# Altium PCB 28-motor-driver.PcbDoc (continued)
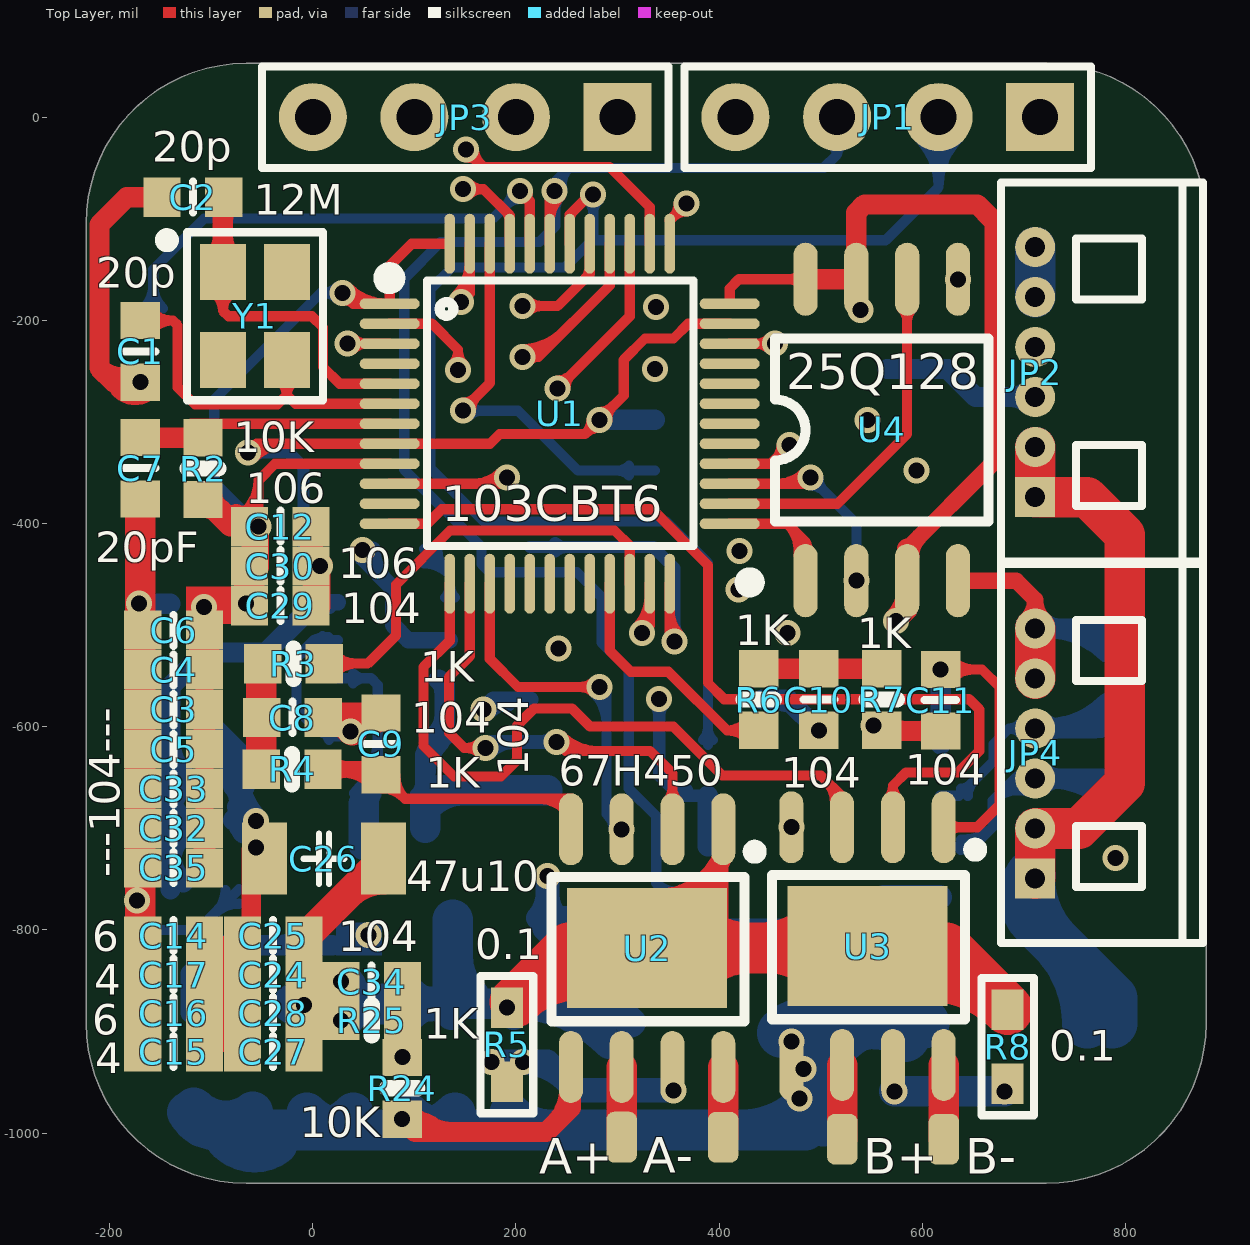
[diagram p0: Top Layer view]
## Nets (pads, with @x,y where several pads share a name; then routed paths per layer and width w, separated by ;. In a path a pad name is that pad's centre, name@x,y a point inside that pad or via, vN(x,y) a via of type N, cw(c..) or ccw(c..) an arc to the next point about the centre after c; other vN are vias at no path point) (continued)
  Top Layer w20: -189.69,-267.31 ccw(c-174.7,-252.33) C1.2@-165.85,-271.58 ; C1.2@-176.61,-266.83 ccw(c-190.79,-281.02) -190.79,-260.96 ccw(c-190.79,-240.91) C1.2@-176.61,-255.09 ; C1.2@-174.2,-253.41 cw(c-187.5,-224.5) -210,-247 ; v1(-169.75,-260.96) -196.04,-260.96 -210,-247 ; C2.2@-154.19,-84.87 ccw(c-168.37,-99.06) -168.37,-79 ccw(c-168.37,-58.94) C2.2@-154.19,-73.13 ; C2.2 -183,-79 -210,-106 -210,-247 ; C30.1@-7.56,-435.14 ccw(c-21.74,-420.96) -1.69,-420.96 ccw(c18.37,-420.96) C30.1@4.19,-435.14 ; C12.1@-7.56,-409.86 cw(c-21.74,-424.04) -1.69,-424.04 cw(c18.37,-424.04) C12.1@4.19,-409.86 ; C30.1@-7.27,-449.14 cw(c-37.12,-482.05) C29.1@7.31,-482.05 ; C29.1@-7.14,-473.75 ccw(c-34.78,-442) v1(7.31,-442) C29.1@7.31,-481 ; C12.1@-6.79,-410.54 cw(c-14.48,-420.4) C30.1@-2.4,-423.64 ; C30.1 C12.1 ; C12.1@-1.69,-413.52 ccw(c35.79,-413.52) C30.1@9.29,-440.02 ; C30.1@-0.97,-423.64 cw(c11.11,-420.4) C12.1@3.42,-410.54 ; C29.1@1.65,-466.99 cw(c19.62,-460.23) C30.1@8.88,-444.32
  Top Layer w30: C15.2@-169.75,-920 C7.2 ; C25.1@-6.34,-806 C26.1 ; 34.78,-764.88 cw(c69.66,-799.76) C26.1@69.66,-750.43 ; v1@38.63,-603.52 ccw(c10.32,-629.28) C8.1 C9.1@62.69,-591 ; 47.61,-591 ccw(c47.61,-568.28) C9.1@63.68,-584.35
  Top Layer w40: JP4.5 JP4.6
  Top Layer w50: U2.9@297.27,-849.85 ccw(c264.51,-936.5) 199,-871 252,-818 623.5,-818 R8.2 ccw(c603.47,-959.02) U3.9@574.39,-848.92 ; U2.9@372.77,-842.08 cw(c430.89,-900.2) 430.89,-818 cw(c430.89,-735.8) U2.9@372.77,-793.92 ; 439.28,-818 ccw(c439.28,-728.97) U3.9@502.23,-791.92 ; 448.93,-818 cw(c448.93,-893.38) U3.9@502.23,-840.08
  Mid-Layer 1 w20: v1(-170.93,-478.93) -170.93,-455.93 -157,-442 v1(7.31,-442)
  Mid-Layer 2 w20: v1(7.31,-442) 37,-471.69 v1(37,-605)
  Bottom Layer w10: v1@-178.51,-776.51 cw(c-191.82,-789.82) -173,-789.82 cw(c-154.18,-789.82) v1@-167.49,-776.51 ; v1(-173,-771) -173,-791 -164,-800 -112.69,-800 R22.1 ; -97.08,-784.4 cw(c-72.68,-808.79) R22.1@-72.68,-774.29 ; -94.71,-782.02 ccw(c-115.74,-760.98) R22.1@-85.99,-760.98 ; -1.65,-517.65 cw(c12.8,-532.1) U9.2@15.45,-511.84 ; 0.12,-599.12 ccw(c25.65,-573.59) D3.1@27.14,-609.66 ; U9.2@9.69,-519.22 ccw(c1,-526.06) 1,-515 ; U9.2@9.69,-510.78 cw(c1,-503.94) 1,-515 ; D3.1@12.32,-596.44 cw(c6,-624.65) D3.1@30.42,-609.17 ; U9.2@14.15,-521.75 ccw(c9.47,-557.47) -16,-532 ; D3.1@16.08,-613.25 ccw(c6,-615.29) 6,-605 ; U9.2 1,-515 ; D3.1@26.73,-599.67 cw(c24.36,-542.64) -16,-583 ; D3.1@31.49,-610.51 ccw(c18.18,-623.82) 18.18,-605 ccw(c18.18,-586.18) D3.1@31.49,-599.49 ; v1(37,-605) 6,-605 ; -16,-583 -16,-532 ; -16,-583 6,-605 ; -16,-532 1,-515
  Bottom Layer w12: v1(-64,-330) -24,-330 -9,-345 -9,-425.69 v1(7.31,-442) ; v1@-59.19,-334.81 cw(c-47.59,-346.41) -47.59,-330 cw(c-47.59,-313.59) v1@-59.19,-325.19 ; v1@0.52,-442 ccw(c-15.89,-442) -4.29,-430.4 ccw(c7.31,-418.8) v1@7.31,-435.2
  Bottom Layer w20: v1(-170.93,-478.93) VR1.1 ; v1(282,-298) U8.2 ; U10.8 467.69,-573.32 v1(498,-603.63) ; U10.8@462.93,-575.13 cw(c462.93,-591.01) 474.15,-579.78 ; U7.5@618,-617.17 v1(618,-543.69) ; JP4.6 770.68,-503.36 R20.2 ; JP4.6@717.85,-510.21 cw(c734.38,-526.74) 734.38,-503.36 cw(c734.38,-479.98) JP4.6@717.85,-496.51 ; JP4.6@723.73,-503.36 cw(c723.73,-585.98) R20.2@782.14,-527.56 ; 772.01,-503.36 cw(c772.01,-537.69) R20.2@796.28,-513.42 ; R20.2@773.14,-505.82 cw(c757.28,-521.68) R20.2@779.71,-521.68 ; R20.2@775.51,-508.2 ccw(c788.02,-495.7) R20.2@788.02,-513.38
  Bottom Layer w30: C19.1@80,-872.91 D2.1@298.39,-872.91 ; C19.1@97.61,-883.52 cw(c123.21,-909.13) 123.21,-872.91 cw(c123.21,-836.7) C19.1@97.61,-862.31 ; C19.1@115.41,-875 cw(c120.16,-892.75) C18.1@134.94,-881.83 ; C19.1@115.41,-870.82 ccw(c120.16,-853.07) C18.1@134.94,-864 ; C18.1@136.39,-883.52 ccw(c110.79,-909.13) 110.79,-872.91 ccw(c110.79,-836.7) C18.1@136.39,-862.31 ; C18.1@190.26,-878.58 ccw(c197.84,-857.27) C18.1@209.15,-876.86 ; C18.1@197.16,-872.91 cw(c197.16,-1006.42) D2.1@291.56,-912.02 ; C18.1@197.61,-883.52 cw(c223.21,-909.13) 223.21,-872.91 cw(c223.21,-836.7) C18.1@197.61,-862.31 ; D2.1@269.58,-872.91 cw(c269.58,-933.99) D2.1@312.77,-890.8
  Bottom Layer w40: C20.1@-19,-872.91 C19.1@80,-872.91 ; C20.1@-7.82,-872.91 ccw(c-7.82,-815.49) C19.1@32.78,-856.09 ; C20.1@6.24,-872.91 cw(c6.24,-910.44) C19.1@32.78,-883.91 ; C19.1@22.59,-883.91 cw(c49.13,-910.44) C19.1@49.13,-872.91 ; C19.1@22.59,-856.09 ccw(c63.2,-815.49) C19.1@63.2,-872.91 ; C18.1@137.66,-871.25 C31.2 ; 137.66,-826.23 ccw(c193.69,-826.23) C18.1@154.07,-865.84 ; JP2.5 JP2.6
  other v1: 27.68,-889 -8.69,-874 27.69,-851 790,-729.32
  other v2: 191,-876.5
IN_AM: U1.14 U2.2 | length 615
  Top Layer w10: U1.14 154.42,-530.58 134,-551 134,-606 149,-621 v2(170,-621) ; v2@164.49,-626.51 ccw(c151.18,-639.82) 151.18,-621 ccw(c151.18,-602.18) v2@164.49,-615.49 ; v1@238.44,-616.56 ccw(c256.41,-598.59) 256.41,-624 ; v1(240,-615) 249,-624 332,-624 354,-646 U2.2 ; v1@245.51,-609.49 ccw(c280.55,-574.45) 280.55,-624 ; U2.2@349.18,-672.6 ccw(c337.56,-660.98) 354,-660.98 ccw(c370.44,-660.98) U2.2@358.82,-672.6
  Bottom Layer w14: v2(170,-621) 176,-615 v1(240,-615) ; v2@174.1,-625.1 cw(c198.48,-649.48) 198.48,-615 ; v1@235.9,-619.1 ccw(c226.01,-628.99) 226.01,-615 ccw(c226.01,-601.01) v1@235.9,-610.9
IN_AP: U1.15 U2.3 | length 449.6
  Top Layer w10: U1.15 174.1,-533.1 202,-561 v1(282,-561) ; v1@276.49,-566.51 ccw(c263.18,-579.82) 263.18,-561 ccw(c263.18,-542.18) v1@276.49,-555.49
  Bottom Layer w10: v1@276.49,-566.51 cw(c246.28,-596.72) 289,-596.72 ; v1(282,-561) 289,-568 289,-686 v1(304,-701) ; v1@283.56,-559.44 cw(c270.42,-572.58) 289,-572.58 ; v1@296.2,-701 ccw(c277.39,-701) 290.69,-687.69 ccw(c304,-674.39) v1@304,-693.2
IN_BM: U1.12 U3.2 | length 942.7
  Top Layer w10: U1.12 112.73,-400.27 127,-386 334,-386 389,-441 389,-557 405,-573 646,-573 656,-583 656,-624 635,-645 584,-645 571,-658 U3.2 ; U3.2@566.18,-670.6 ccw(c554.56,-658.98) 571,-658.98 ccw(c587.44,-658.98) U3.2@575.82,-670.6
IN_BP: U1.13 U3.3 | length 733.6
  Top Layer w10: U1.13 134.73,-515.39 109,-541.12 109,-619 139,-649 185,-649 201,-633 201,-599 218,-582 255,-582 273,-600 355,-600 403,-648 500,-648 521,-669 U3.3 ; 504.83,-652.83 cw(c482.25,-675.42) U3.3@514.19,-675.42
IN_PWM_A: R3.1 U1.22 | length 478.2
  Top Layer w10: R3.1 54,-538 82,-510 82,-460 135,-407 297,-407 311.9,-421.9 U1.22 ; R3.1@20.72,-547.41 cw(c43.44,-570.13) 43.44,-538 cw(c43.44,-505.87) R3.1@20.72,-528.59
IN_PWM_B: R6.1 U1.21 | length 291.5
  Top Layer w10: U1.21 292.21,-525.21 313,-546 350,-546 407.63,-603.63 ; R6.1@428.24,-612.65 ccw(c407.63,-631.66) 407.63,-603.63 ; R6.1@428.24,-594.61 cw(c407.63,-575.6) 407.63,-603.63 ; R6.1 407.63,-603.63
MT6816_CS: U1.38 U10.1 | length 1024.9
  Top Layer w10: v1@151,-39.8 cw(c151,-58.61) 164.31,-45.31 cw(c177.61,-32) v1@158.8,-32 ; v1(151,-32) 168,-49 292,-49 331.58,-88.58 U1.38
  Mid-Layer 2 w16: 129.16,-45.84 cw(c151,-67.69) v1@151,-36.8 ; v1(151,-32) 143,-32 82,-93 82,-302 168,-388 v1(168,-583)
  Bottom Layer w16: v1@171.39,-586.39 cw(c202.94,-617.94) U10.1@202.94,-573.32 ; U10.1@192.13,-576.97 ccw(c185.09,-600.09) v1(168,-583) 177.68,-573.32 U10.1
NetC8_2: C8.2 R3.2 R4.1 | length 102.6
  Top Layer w30: R4.1 R3.2@-50.69,-539.37
NetC10_2: C10.2 R6.2 R7.1 | length 247
  Top Layer w20: R6.2 R7.1 ; R6.2@445.86,-548.87 cw(c460.04,-563.06) 460.04,-543 cw(c460.04,-522.94) R6.2@445.86,-537.13 ; C10.2@491.14,-548.87 ccw(c476.96,-563.06) 476.96,-543 ccw(c476.96,-522.95) C10.2@491.14,-537.13 ; C10.2@504.86,-548.87 cw(c519.04,-563.06) 519.04,-543 cw(c519.04,-522.95) C10.2@504.86,-537.13 ; R7.1@553.14,-548.87 ccw(c538.96,-563.06) 538.96,-543 ccw(c538.96,-522.94) R7.1@553.14,-537.13
NetC21_1: C21.1 C22.1 U9.1 | length 361.9
  Bottom Layer w10: U9.1 57.4,-552.4 64,-559 64,-662 C21.1 ; U9.1@39.54,-557.22 cw(c51.17,-568.84) 51.17,-552.4 cw(c51.17,-535.96) U9.1@39.54,-547.59 ; C21.1@40.59,-665.61 ccw(c-15.93,-609.09) 64,-609.09 ; C21.1@47.66,-672.68 ccw(c8.22,-633.23) 64,-633.23 ; C21.1@54.73,-679.75 ccw(c32.36,-657.37) C21.1@64,-657.37
  Bottom Layer w30: C22.1 C21.1
NetC21_2: C21.2 C22.2 D3.2 L1.1 U9.6 | length 425.2
  Bottom Layer w10: C22.2@110.63,-699.63 C22.2@114.5,-703.5
  Bottom Layer w20: C21.2@104.76,-669.14 ccw(c90.57,-654.96) 110.63,-654.96 ccw(c130.68,-654.96) C21.2@116.5,-669.14 ; C21.2@110.63,-662.5 110.63,-627.37 ; 110.63,-649.19 cw(c158.3,-649.19) D3.2@124.59,-615.48 ; 110.63,-629.92 cw(c123.51,-629.92) D3.2@121.23,-617.24 ; D3.2@114.08,-612.96 cw(c100.61,-617.35) 110.63,-627.37 ; D3.2@122.32,-606.52 ccw(c104.33,-588.53) 129.77,-588.53 ; U9.6@124,-553.68 cw(c110.05,-567.63) 129.77,-567.63 ; U9.6@129.77,-559 129.77,-608.23 110.63,-627.37
  Bottom Layer w30: C22.2@110.63,-699.63 C21.2 ; C21.2@112.97,-677.35 cw(c148.83,-713.22) 148.83,-662.5 ; C21.2@124.13,-662.5 L1.1
NetC23_1: C23.1 R21.1 R22.2 U9.3 | length 592.9
  Bottom Layer w16: U9.3@3.4,-477.6 U9.3
  Bottom Layer w20: R22.2@-140,-760 -140,-560 -107,-527 -46,-527 U9.3@3.4,-477.6 ; -140,-736.18 cw(c-97.12,-736.18) R21.1@-127.44,-705.86 ; -140,-722.82 ccw(c-97.12,-722.82) R22.2@-127.44,-753.14 ; R21.1@-140,-689.18 cw(c-97.12,-689.18) C23.1@-127.44,-658.86 ; C23.1@-140,-661.82 ccw(c-97.12,-661.82) R21.1@-127.44,-692.14 ; -140,-614.82 ccw(c-97.12,-614.82) C23.1@-127.44,-645.14 ; -7.92,-488.92 cw(c15.04,-511.88) U9.3@15.04,-479.41
NetC31_1: C31.1 D4.2 R23.1 U9.5 | length 877
  Mid-Layer 1 w20: v2(48.68,-426) 48.68,-528.32 -4,-581 -4,-621 55,-680 v2(55,-805)
  Bottom Layer w16: R23.1 v2(48.68,-426) 48.68,-433.68 79,-464 79,-500 94,-515 U9.5 ; R23.1@53.48,-426 ccw(c83.61,-426) 62.31,-447.31 ; R23.1@58.99,-425.98 ccw(c102.47,-425.98) 71.73,-456.73
  Bottom Layer w20: D4.2 -120,-843 -92,-815 C31.1@19,-815 ; -37.74,-815 ccw(c-37.74,-745.11) C31.1@11.68,-794.53
NetR5_1: R5.1 U2.7 | length 237.6
  Bottom Layer w24: v1(176,-930) 231,-930 259,-958 v1(355,-958) ; v1@207,-930.8 cw(c207,-990.66) 249.33,-948.33
  other v1: 207,-930
NetR8_1: R8.1 U3.7 | length 108.5
  Bottom Layer w30: v1(572.5,-959) v1(681,-959)
NetR23_2: R23.2 U9.4 | length 139.6
  Bottom Layer w10: R23.2@109.32,-439.29 cw(c109.32,-473.79) 133.71,-449.4 ; R23.2 135.12,-450.8 U9.4 ; R23.2@122.62,-425.98 ccw(c152.37,-425.98) 131.34,-447.02 ; U9.4@130.3,-472.78 ccw(c118.68,-461.16) 135.12,-461.16 ccw(c151.56,-461.16) U9.4@139.93,-472.78
NRST: C7.1 R2.1 U1.7 | length 320.1
  Top Layer w10: R2.1@-120,-301.84 U1.7
  Top Layer w20: C7.1@-169.39,-315.68 R2.1 ; C7.1@-162.89,-321.2 cw(c-149.56,-334.53) -149.56,-315.68 ; C7.1@-162.89,-309.46 ccw(c-147.85,-294.42) -147.85,-315.68 ; R2.1@-114.86,-321.56 ccw(c-129.04,-335.74) -129.04,-315.68 ccw(c-129.04,-295.63) R2.1@-114.86,-309.81
OSC_IN: C2.1 U1.5 Y1.1 | length 436.4
  Top Layer w10: Y1.1@-98.25,-172.31 cw(c-110.34,-190.5) -88.5,-190.5 ; Y1.1 -88.5,-190.5 ; Y1.1@-78.74,-172.31 ccw(c-66.65,-190.5) -88.5,-190.5 ; U1.5 26.47,-262.47 10,-246 10,-207 -1,-196 -83,-196 -88.5,-190.5
  Top Layer w20: Y1.1@-97.43,-138.84 ccw(c-119.01,-117.26) -88.5,-117.26 ccw(c-57.99,-117.26) Y1.1@-79.56,-138.84 ; Y1.1 C2.1@-88.5,-79.81 ; -88.5,-102 cw(c-65.67,-102) C2.1@-81.81,-85.86
OSC_OUT: C1.1 U1.6 Y1.3 | length 438.7
  Top Layer w10: C1.1 -137.67,-200.33 ; C1.1@-159.14,-209.52 cw(c-137.67,-230) -137.67,-200.33 ; C1.1@-159.14,-191.14 ccw(c-137.67,-170.66) -137.67,-200.33 ; Y1.3@-33.74,-259.82 cw(c-40.97,-273.5) -25.5,-273.5 ; Y1.3 -25.5,-273.5 ; Y1.3@-17.26,-259.82 ccw(c-10.04,-273.5) -25.5,-273.5 ; U1.6 -16.84,-282.16 -25.5,-273.5 ; -137.67,-200.33 -133,-205 -133,-266 -116,-283 -35.01,-283 -25.5,-273.5
OUT_A+: pad.@304,-1004 U2.6 | length 69
  Top Layer w30: pad.@304,-1004 U2.6
OUT_A-: pad.@403.84,-1004.16 U2. | length 69
  Top Layer w30: pad.@403.84,-1004.16 U2.@403.84,-935.16
OUT_B+: pad.@521.26,-1006.03 U3.6 | length 72.8
  Top Layer w30: pad.@521.26,-1006.03 U3.6@521.26,-933.26
OUT_B-: pad.@621.26,-1006.03 U3.8 | length 72.8
  Top Layer w30: pad.@621.26,-1006.03 U3.8@621.26,-933.26
POWER_I: U1.11
POWER_U: C34.1 R24.2 R25.1 U1.10 | length 1164.5
  Top Layer w10: U1.10 185.1,-360.9 v1(191,-355) ; R24.2@78.59,-916.28 ccw(c55.11,-892.8) R25.1@88.31,-892.8 ; R25.1@78.91,-899.39 cw(c56.19,-922.11) 88.31,-922.11 cw(c120.44,-922.11) R25.1@97.72,-899.39 ; R25.1@78.91,-878.61 ccw(c56.19,-855.89) 88.31,-855.89 ccw(c120.44,-855.89) R25.1@97.72,-878.61 ; C34.1@78.91,-861.39 cw(c56.19,-884.11) 88.31,-884.11 cw(c120.44,-884.11) C34.1@97.72,-861.39 ; C34.1@81.67,-863.51 cw(c78.67,-868.71) 84.46,-870.26 cw(c91.21,-872.07) C34.1@90.21,-865.16 ; R24.2@81.97,-920.84 ccw(c68.99,-911.59) R25.1@84.39,-907.46 ; R24.2@82.8,-919.86 ccw(c69.5,-906.55) 88.31,-906.55 ccw(c107.13,-906.55) R24.2@93.83,-919.86 ; R24.2@84.42,-918.62 ccw(c76.45,-904.82) R24.2@91.84,-908.94 ; R24.2@84.79,-908.94 ccw(c100.18,-904.82) R24.2@92.21,-918.62 ; C34.1@86.42,-865.16 cw(c85.42,-872.07) 92.17,-870.26 cw(c97.96,-868.71) C34.1@94.96,-863.51 ; v1(88.31,-925.37) C34.1 ; R25.1@88.31,-894.32 ccw(c119.37,-894.32) R24.2@97.41,-916.28 ; R25.1@92.24,-907.46 ccw(c107.64,-911.59) R24.2@94.66,-920.84 ; 157.93,-360.9 ccw(c157.93,-321.93) v1@185.49,-349.49
  Mid-Layer 1 w16: v1(88.31,-925.37) 119,-894.68 119,-429 v1@192,-356 ; 181.4,-366.6 ccw(c169.8,-355) v1@186.2,-355
RS485_DIR: U1.3 U7.2 U7.3 | length 953.3
  Top Layer w10: v1(34,-223) U1.3@75.59,-223 ; v1@39.51,-228.51 cw(c52.82,-241.82) 52.82,-223 cw(c52.82,-204.18) v1@39.51,-217.49
  Mid-Layer 1 w16: v1(34,-223) 34,-282 74,-322 204,-322 222,-340 222,-375 200,-397 200,-529 271,-600 314,-600 v1(341,-573)
  Bottom Layer w12: v1@336.19,-577.81 cw(c324.59,-589.41) 341,-589.41 cw(c357.41,-589.41) v1@345.81,-577.81 ; v1(341,-573) 341,-648 361,-668 U7.3 ; 346.02,-653.02 ccw(c368.16,-630.88) U7.3@368.16,-662.19
  Bottom Layer w20: U7.2 U7.3
RS485_RX: JP1.3 U1.43 U7.1 | length 1570.5
  Top Layer w10: U1.43 v1@233.16,-80.84 ; U1.43@233.16,-103.5 cw(c268.5,-103.5) v1@243.51,-78.51
  Bottom Layer w10: v1@232.49,-78.51 cw(c216.77,-94.23) 239,-94.23 ; 239,-89.41 cw(c254.41,-89.41) v1@243.51,-78.51 ; v1@245.63,-71.4 cw(c268.58,-66.59) 252,-50 ; 350.11,-766.11 ccw(c363.81,-752.4) U7.1@369.01,-771.07 ; U7.1@363.28,-772.76 ccw(c352,-783.76) 352,-768 ; U7.1@363.28,-763.24 cw(c352,-752.24) 352,-768 ; U7.1@366.33,-761.44 cw(c358.53,-733.47) 338,-754 ; U7.1 352,-768 ; JP1.3@508.7,-27.51 cw(c506.19,-37) 516,-37 ; JP1.3 516,-37 ; JP1.3@523.3,-27.51 ccw(c525.81,-37) 516,-37 ; 252,-50 503,-50 516,-37 ; 252,-50 239,-63 239,-107 223,-123 126,-123 90,-159 90,-347 166,-423 166,-440 174,-448 260,-448 284,-472 284,-517 311,-544 311,-661 338,-688 338,-754 ; 338,-754 352,-768
  other v1: 238,-73
RS485_TX: JP1.2 U1.42 U7.4 | length 1621.5
  Top Layer w10: U1.42 252.84,-96.16 v1@273,-76 ; U1.42@253.16,-100.47 cw(c264.33,-100.47) 256.43,-92.57
  Bottom Layer w10: v1@270.49,-81.51 cw(c257.18,-94.82) 276,-94.82 cw(c294.82,-94.82) v1@281.51,-81.51 ; 276,-121.21 563.79,-121.21 616,-69 JP1.2 ; v1(276,-76) 276,-120 248,-148 137,-148 116,-169 116,-346 168,-398 348,-398 388.83,-438.83 U7.4 ; U7.4@384.01,-613.18 ccw(c372.38,-601.56) 388.83,-601.56 ccw(c405.27,-601.56) U7.4@393.64,-613.18 ; JP1.2@595.87,-20.13 cw(c547.28,-68.72) 616,-68.72 cw(c684.72,-68.72) JP1.2@636.13,-20.13 ; JP1.2@602.94,-13.06 cw(c571.42,-44.58) 616,-44.58 cw(c660.58,-44.58) JP1.2@629.06,-13.06
SIGNAL_ALERT: U1.19
SIGNAL_DIR: U1.17
SIGNAL_ENA: U1.18
SIGNAL_PUL: U1.16
SPI1_MISO: U1.40 U10.6 | length 617.7
  Top Layer w10: v1@206.17,-238.2 ccw(c206.17,-205.32) 229.43,-228.57 ; v1(206.17,-236) 222,-236 ; v1@206.17,-228.2 ccw(c206.17,-171.18) 246.5,-211.5 ; v1@212.35,-240.75 cw(c222,-248.17) 222,-236 ; v1@212.35,-231.25 ccw(c222,-223.83) 222,-236 ; U1.40 292.21,-165.79 222,-236
  Mid-Layer 1 w16: v1(206.17,-236) 270,-236 341,-307 341,-411 395,-465 v1(419,-465)
SPI1_MOSI: U1.41 U10.5 | length 555.6
  Top Layer w10: v1(206.17,-186) 241,-186 272.53,-154.47 U1.41 ; v1@211.69,-191.51 cw(c224.99,-204.82) 224.99,-186 cw(c224.99,-167.18) v1@211.69,-180.49 ; 268.05,-158.95 ccw(c257.99,-148.89) U1.41@272.22,-148.89
  Mid-Layer 1 w16: v1(206.17,-186) 280,-186 312,-218 368,-218 420,-270 v1(420,-427)
SPI1_SCK: U1.39 U10.7 | length 676.6
  Top Layer w10: v1(241,-267) 311.9,-196.1 U1.39 ; v1@241,-259.2 ccw(c241,-240.39) 254.31,-253.69 ccw(c267.61,-267) v1@248.8,-267
  Mid-Layer 1 w16: v1(241,-267) 250,-276 250,-479 316,-545 430,-545 v1(467,-508)
SPI2_MISO: U1.27 U4.2 | length 291.8
  Top Layer w10: U1.27 484.1,-360.9 v1(490,-355) ; 456.93,-360.9 ccw(c456.93,-321.93) v1@484.49,-349.49
  Bottom Layer w10: v1@490,-362.8 cw(c490,-381.61) 503.31,-368.31 cw(c516.61,-355) v1@497.8,-355 ; v1(490,-355) 535,-400 v1(535,-456.35) ; v1@529.49,-450.83 ccw(c516.18,-437.53) 535,-437.53 ccw(c553.82,-437.53) v1@540.51,-450.83
SPI2_MOSI: U1.28 U4.5 | length 329.4
  Top Layer w10: U1.28 450.79,-341.21 v1(469,-323) ; v1@461.2,-323 cw(c442.39,-323) 455.69,-336.31 cw(c469,-349.61) v1@469,-330.8
  Mid-Layer 1 w10: v1@632.35,-159.65 v1(635,-159.65)
  Mid-Layer 1 w16: v1(469,-323) v1@632.35,-159.65
SPI2_SCK: U1.26 U4.6 | length 382
  Top Layer w10: U1.26 516.42,-380.58 585,-312 U4.6 ; U4.6@580.05,-188.6 cw(c568.1,-200.55) 585,-200.55 cw(c601.9,-200.55) U4.6@589.95,-188.6
SWCLK: JP3.2 U1.37 | length 461.6
  Top Layer w10: U1.37@351.27,-101.73 v1(368,-85) ; v1@360.2,-85 cw(c341.39,-85) 354.69,-98.31 cw(c368,-111.61) v1@368,-92.8
  Mid-Layer 1 w12: 175,-98 175,-58
  Mid-Layer 1 w16: 175,-98 189,-112 341,-112 v1(368,-85) ; JP3.2@179.01,-14.42 cw(c150.8,-33.8) 175,-58 200,-33 JP3.2 ; 188.61,-44.39 ccw(c166.93,-22.72) JP3.2@192.2,-5.36
SWDIO: JP3.3 U1.34 | length 572.6
  Top Layer w10: U1.34 v1(455,-223.1) ; v1@449.49,-228.61 ccw(c436.18,-241.92) 436.18,-223.1 ccw(c436.18,-204.28) v1@449.49,-217.59
  Mid-Layer 1 w16: JP3.3 100,-87 160,-147 378.9,-147 v1(455,-223.1)
USB_DM: U1.32
USB_DP: U1.33
VCC: C18.2 C19.2 C20.2 D1.2 D2.2 D4.1 R24.1 U2.5 U3.5 | length 2407.6
  Top Layer w20: v1(88,-986.32) 100.68,-999 230,-999 254,-975 U2.5 ; R24.1@88.72,-989.02 cw(c98,-1023.62) 115.91,-992.59 ; R24.1@89.98,-984.34 ccw(c125.37,-948.94) 125.37,-999 ; R24.1@94.86,-980.44 ccw(c139.66,-935.64) 139.66,-999 ; 239.3,-989.7 ccw(c208.18,-958.58) U2.5@252.19,-958.58
  Bottom Layer w40: D4.1@-123.28,-979.42 ccw(c-95,-965.46) -95,-997 ; D4.1@-122.59,-980.39 ccw(c-82.49,-940.3) C20.2@-82.49,-997 ; -84.42,-1007.58 ccw(c-57.69,-980.85) C20.2@-34.98,-1011.07 ; C20.2@-60.74,-980.76 cw(c-95,-952.76) -95,-997 ; C20.2@-59.01,-979.09 cw(c-85.65,-943.65) -117,-975 -95,-997 ; C20.2@-5.93,-980.02 ccw(c35.08,-939.01) C19.2@35.08,-997 ; C20.2@-1.08,-997 ccw(c-1.08,-939.01) C19.2@39.93,-980.02 ; C19.2@79.6,-997 ccw(c79.6,-977.91) C19.2@93.09,-991.41 ; C19.2@82.91,-991.41 ccw(c96.4,-977.91) C19.2@96.4,-997 ; C19.2@84.4,-992.55 ccw(c98.15,-968.74) C19.2@105.26,-995.3 ; C19.2@94.07,-980.02 ccw(c135.08,-939.01) C18.2@135.08,-997 ; C19.2@98.92,-997 ccw(c98.92,-939.01) C18.2@139.93,-980.02 ; C18.2@194.07,-980.02 ccw(c235.08,-939.01) 235.08,-997 ; 421.55,-997 ccw(c421.55,-908.55) 484.09,-971.09 ccw(c439.61,-926.61) D2.2@502.52,-926.61 ; D2.2@476.09,-904.91 cw(c412.3,-968.7) 502.52,-968.7 ; v1@482.37,-959.63 cw(c464.64,-993.11) 502.52,-993.11 ; D2.2@485.48,-918.09 cw(c463.52,-933.72) v1@490.1,-938.19 ; D2.2@486.04,-908.48 cw(c446.25,-948.27) 502.52,-948.27 cw(c558.79,-948.27) D2.2@519,-908.48 ; D2.2@486.82,-930.89 cw(c474.46,-950.64) 497.16,-945.42 ; v1@488.09,-942.09 ccw(c453.27,-907.27) D2.2@502.52,-907.27 ; D2.2@488.09,-931.91 cw(c453.27,-966.73) 502.52,-966.73 ; D2.2 502.52,-979.48 485,-997 -95,-997
  Bottom Layer w50: D2.2 D1.2 ; D2.2@521.37,-904.95 cw(c552.62,-936.2) 552.62,-892 cw(c552.62,-847.8) D2.2@521.37,-879.05 ; D2.2@522.7,-903.46 cw(c546.86,-922.87) D1.2@554.88,-892.94 ; D2.2@522.7,-880.54 ccw(c546.86,-861.13) D1.2@554.88,-891.06 ; D1.2@582.63,-904.95 ccw(c551.38,-936.2) 551.38,-892 ccw(c551.38,-847.8) D1.2@582.63,-879.05 ; D2.2@462.37,-901.37 cw(c484.99,-923.99) 484.99,-892 ccw(c484.99,-923.99) D2.2@462.37,-901.37
  other v1: 479,-966 483,-937 471,-910
VCC_3.3: C3.2 C4.2 C5.2 C6.2 C12.2 C29.2 C30.2 C32.2 C33.2 C35.1 JP1.4 JP3.4 R2.2 U1.1 U1.9 U1.24 U1.36 U1.48 U4.3 U4.7 U4.8 U8.5 U10.2 U10.4 VR1.2 | length 4451.2
  Top Layer w10: C32.2@-116.09,-689.61 ccw(c-138.81,-666.89) -106.69,-666.89 ccw(c-74.56,-666.89) C32.2@-97.28,-689.61 ; C33.2@-116.09,-671.39 cw(c-138.81,-694.11) -106.69,-694.11 cw(c-74.56,-694.11) C33.2@-97.28,-671.39 ; C33.2@-116.09,-650.61 ccw(c-138.81,-627.89) -106.69,-627.89 ccw(c-74.56,-627.89) C33.2@-97.28,-650.61 ; C5.2@-116.09,-632.39 cw(c-138.81,-655.11) -106.69,-655.11 cw(c-74.56,-655.11) C5.2@-97.28,-632.39 ; C3.2@-116.09,-572.61 ccw(c-138.81,-549.89) -106.69,-549.89 ccw(c-74.56,-549.89) C3.2@-97.28,-572.61 ; C4.2@-116.09,-554.39 cw(c-138.81,-577.11) -106.69,-577.11 cw(c-74.56,-577.11) C4.2@-97.28,-554.39 ; C33.2@-113.44,-673.45 cw(c-116.78,-679.12) -110.42,-680.83 cw(c-102.72,-682.89) C33.2@-104.2,-675.06 ; C33.2@-113.44,-648.55 ccw(c-116.78,-642.88) -110.42,-641.17 ccw(c-102.72,-639.11) C33.2@-104.2,-646.94 ; C4.2@-113.44,-556.45 cw(c-116.78,-562.12) -110.42,-563.83 cw(c-102.72,-565.89) C4.2@-104.2,-558.06 ; C33.2@-109.17,-675.06 cw(c-110.65,-682.89) -102.95,-680.83 cw(c-96.59,-679.12) C33.2@-99.93,-673.45 ; C33.2@-109.17,-646.94 ccw(c-110.65,-639.11) -102.95,-641.17 ccw(c-96.59,-642.88) C33.2@-99.93,-648.55 ; C4.2@-109.17,-558.06 cw(c-110.65,-565.89) -102.95,-563.83 cw(c-96.59,-562.12) C4.2@-99.93,-556.45 ; C32.2 C33.2 C5.2 ; C3.2 C4.2 ; C12.2@-70.32,-391.38 ccw(c-95.95,-357.32) -53.31,-357.32 ; C12.2@-64.3,-399.37 ccw(c-80.87,-377.35) -53.31,-377.35 ; C12.2@-58.83,-397.49 ccw(c-72.13,-384.18) -53.31,-384.18 ccw(c-34.5,-384.18) C12.2@-47.8,-397.49 ; v1(-53.31,-403) -53.31,-357.31 ; v1@27.44,-174.56 ccw(c49.58,-152.42) U1.1@49.58,-183.73 ; v1(29,-173) 39.73,-183.73 ; v1@30.27,-180.69 cw(c32.04,-191.41) 39.73,-183.73 ; v1@34.51,-167.49 ccw(c73.72,-128.28) U1.1@73.72,-183.73 ; v1@36.69,-174.27 ccw(c47.41,-176.04) 39.73,-183.73 ; U1.9 -37.21,-341.21 -53.31,-357.31 ; U1.48 97.32,-124.68 75.68,-146.32 U1.1 39.73,-183.73 ; v1@351.27,-511.27 U1.24 ; U1.24@351.27,-485.75 ccw(c386.25,-485.75) v1@361.51,-510.49 ; U1.36 410.32,-168.68 419.35,-159.65 U4.8 ; U4.8@480.05,-164.6 ccw(c468.1,-176.55) 468.1,-159.65 ccw(c468.1,-142.75) U4.8@480.05,-154.7
  Top Layer w16: U4.3@585,-425 669,-341 669,-101 ; U4.3@589,-432.35 cw(c616.39,-432.35) 597.02,-412.98
  Top Layer w20: C35.1@-112.56,-732.14 ccw(c-126.74,-717.96) -106.69,-717.96 ccw(c-86.63,-717.96) C35.1@-100.81,-732.14 ; C32.2@-112.56,-706.86 cw(c-126.74,-721.04) -106.69,-721.04 cw(c-86.63,-721.04) C32.2@-100.81,-706.86 ; C5.2@-112.56,-615.14 ccw(c-126.74,-600.96) -106.69,-600.96 ccw(c-86.63,-600.96) C5.2@-100.81,-615.14 ; C3.2@-112.56,-589.86 cw(c-126.74,-604.04) -106.69,-604.04 cw(c-86.63,-604.04) C3.2@-100.81,-589.86 ; C35.1@-111.79,-731.46 ccw(c-119.48,-721.6) C32.2@-107.4,-718.36 ; C5.2@-111.79,-614.46 ccw(c-119.48,-604.6) C3.2@-107.4,-601.36 ; R2.2@-107.02,-384.62 cw(c-107.02,-402.3) R2.2@-94.51,-389.8 ; C35.1 C32.2 ; C5.2 C3.2 ; C32.2@-105.97,-718.36 ccw(c-93.89,-721.6) C35.1@-101.58,-731.46 ; C3.2@-105.97,-601.36 ccw(c-93.89,-604.6) C5.2@-101.58,-614.46 ; R2.2@-104.87,-384.34 cw(c-100.11,-402.09) R2.2@-90.92,-386.17 ; R2.2@-98.99,-374.16 ccw(c-77.99,-368.54) R2.2@-88.86,-387.36 ; R2.2@-98.71,-376.32 ccw(c-76.28,-376.32) R2.2@-92.14,-392.18 ; C12.2@-68.41,-408.64 ccw(c-81.31,-420.57) -81.31,-403 ; C12.2@-68.41,-397.36 cw(c-81.31,-385.43) -81.31,-403 ; C12.2@-67.9,-410.14 cw(c-97.75,-443.05) C30.2@-53.31,-443.05 ; C30.2@-67.77,-434.75 ccw(c-95.41,-403) v1(-53.31,-403) ; C12.2@-62.74,-393.72 cw(c-65.8,-334.11) R2.2 -81.31,-403 ; C30.2@-58.98,-427.99 cw(c-41.01,-421.23) C12.2@-51.75,-405.32 ; C30.2@-53.31,-442 v1(-53.31,-403) ; U4.8 U4.7 535,-94 543,-86 654,-86 669,-101 ; v1@572.02,-494.02 ccw(c540.7,-462.7) U4.3@585,-462.7 ; v1(574,-496) 585,-485 U4.3 U4.3@585,-425 ; v1@578.3,-491.7 ccw(c566.94,-480.35) U4.3@583,-480.35 ; -81.31,-403 v1(-53.31,-403) ; C12.2@-75.2,-391.06 cw(c-81.68,-421.38) -55.66,-404.52 ccw(c-81.68,-421.38) C12.2@-75.2,-391.06
  Top Layer w30: C4.2 C6.2 ; C29.2 C30.2
  Mid-Layer 1 w16: v1(356,-516) 412,-516 453,-475 498,-475 519,-496 v1(574,-496)
  Mid-Layer 2 w20: JP3.4@-16.59,-16.59 cw(c-56.65,-56.65) 0,-56.65 cw(c56.65,-56.65) JP3.4@16.59,-16.59 ; JP3.4 0,-75 29,-104 v1(29,-173) ; v1(242,-523) 286,-479 341,-479 ; v1@353.23,-515.61 ccw(c310.45,-509.56) 341,-479 ; v1(356,-516) 356,-494 341,-479 ; JP1.4@402.57,-19.24 cw(c384.59,-45) 416,-45 ; JP1.4 416,-45 ; JP1.4@429.43,-19.24 ccw(c447.41,-45) 416,-45 ; 518.67,-147.67 cw(c476.34,-190) v1@536.2,-190 ; v1(539,-190) 539,-168 416,-45
  Bottom Layer w10: v1@-61.11,-403 ccw(c-79.93,-403) -66.62,-389.69 ccw(c-53.31,-376.39) v1@-53.31,-395.2 ; v1(-53.31,-403) -97,-359.31 -97,-278 8,-173 v1(29,-173) ; v1@23.49,-178.51 ccw(c10.18,-191.82) 10.18,-173 ccw(c10.18,-154.18) v1@23.49,-167.49
  Bottom Layer w12: U10.4 335.32,-423.32 356,-444 v1(356,-516) ; U10.4@238.69,-427.43 cw(c248.61,-437.35) 248.61,-423.32 cw(c248.61,-409.29) U10.4@238.69,-419.21 ; v1@351.19,-511.19 ccw(c339.59,-499.59) 356,-499.59 ccw(c372.41,-499.59) v1@360.81,-511.19
  other v1: -107,-482 -65.6,-478.93
VCC_5.0: C14.1 C15.1 C16.1 C17.1 C23.2 C24.2 C25.2 C26.2 C27.2 C28.2 L1.2 R21.2 U7.8 U8.3 VR1.3 | length 1839.3
  Mid-Layer 2 w16: 209,-728 209,-485 336.83,-357.17 v1(336.83,-248)
  Mid-Layer 2 w30: v1@-57.56,-694.56 ccw(c1.45,-635.55) 1.45,-719 ; v1(-56,-719) 203,-719 v1(231,-747)
  Bottom Layer w20: VR1.3@-103,-607.71 cw(c-103,-638.22) -81.43,-616.64 ; C23.2@-80.99,-650.75 ccw(c-156.23,-648.31) VR1.3 -72.68,-625.39 R21.2 ; R21.2@-78.56,-692.14 ccw(c-92.74,-677.96) -72.68,-677.96 ccw(c-52.63,-677.96) R21.2@-66.81,-692.14 ; C23.2@-78.56,-658.86 cw(c-92.74,-673.04) -72.69,-673.04 cw(c-52.63,-673.04) C23.2@-66.81,-658.86 ; C23.2@-78.56,-645.14 ccw(c-92.74,-630.96) -72.69,-630.96 ccw(c-52.63,-630.96) C23.2@-66.81,-645.14 ; -74.58,-678.69 ccw(c-54.56,-667.13) R21.2@-55.84,-690.21 ; R21.2@-72.68,-694.25 ccw(c-57.25,-694.25) R21.2@-68.17,-705.17 ; C23.2@-72.68,-645.97 ccw(c-8.97,-645.97) v1@-54.02,-691.02 ; -70.36,-627.71 cw(c-93.01,-650.36) C23.2@-61,-651.39
  Bottom Layer w24: L1.2@221.81,-788.31 ccw(c199.62,-766.12) 231,-766.12 ccw(c262.38,-766.12) L1.2@240.19,-788.31 ; L1.2 v1(231,-747) ; L1.2@234.31,-800.81 529.19,-800.81 562,-768 U7.8 ; L1.2@247.69,-788.31 ccw(c277.88,-758.12) 277.88,-800.81
  Bottom Layer w30: L1.2 L1.2@234.31,-800.81
  other v1: -56,-693
VCC_IN: D1.1 JP2.1 JP2.2 JP4.1 JP4.2 | length 1037.6
  Top Layer w40: JP4.1 JP4.2 754.21,-700.21 799,-655.43 799,-411 762.03,-374.03 JP2.1 JP2.2
  Bottom Layer w40: 711,-792 JP4.1 JP4.2 ; JP2.1 JP2.2
  Bottom Layer w50: JP4.1@705.68,-749.43 ccw(c795.64,-749.43) 732.03,-813.03 ; JP4.1@706.59,-746.46 ccw(c736.45,-766.55) 711,-792 786.52,-867.52 D1.1 ; 727.88,-808.88 cw(c644.75,-892) D1.1@762.31,-892
VREF_A: C9.2 R4.2 U2.4 | length 407.1
  Top Layer w10: C9.2 90.69,-671 ; C9.2@67.98,-660.62 cw(c67.98,-690.37) 89.02,-669.34 ; C9.2@81.29,-647.6 ccw(c113.38,-648.3) 90.68,-671 ; 222.06,-671 cw(c222.06,-709.36) U2.4@249.18,-682.23 ; U2.4@255,-671 90.69,-671
  Top Layer w16: R4.2 C9.2@67,-642 ; R4.2@17.23,-649.29 cw(c34.83,-666.88) 34.83,-642 cw(c34.83,-617.12) R4.2@17.23,-634.71 ; 28.3,-642 cw(c28.3,-685.03) C9.2@58.73,-654.6
VREF_B: C11.2 R7.2 U3.4 | length 298.1
  Top Layer w10: R7.2@560,-604.31 R7.2
  Top Layer w20: R7.2@553.98,-597.02 ccw(c571.58,-579.42) R7.2@571.58,-604.31 ; R7.2@560.69,-604.31 C11.2 ; R7.2@566.86,-609.5 cw(c579.39,-622.03) 579.39,-604.31 ; R7.2@566.86,-597.76 ccw(c582.69,-581.92) 582.69,-604.31 ; C11.2@611.14,-610.19 ccw(c596.96,-624.37) 596.96,-604.31 ccw(c596.96,-584.26) C11.2@611.14,-598.44
  Mid-Layer 2 w16: v2(471,-699) 471,-667 495,-643 536,-643 552,-627 v2(552,-599)
W25Q_CS: U1.25 U4.1 | length 194.5
  Top Layer w10: U1.25 467.27,-400.27 ; U4.1@478.05,-431.5 ccw(c440.59,-426.96) 467.27,-400.27 ; U4.1@480.69,-426.83 ccw(c473.8,-418) 485,-418 ; 481.8,-414.8 cw(c466.49,-430.1) U4.1@487.98,-432.71 ; U4.1 485,-418 ; U4.1@489.31,-426.83 cw(c496.2,-418) 485,-418 ; 467.27,-400.27 485,-418
pads on no net: U1.4 U1.20 U1.29 U1.30 U1.31 U10.3 Y1.2 Y1.4

## Polygon pours and split planes (outlines as drawn)
GND on Mid-Layer 1 "TopLayer-No Net" (solid, pour order 4): -226,-103 -223,-103 -68,52 -67,53 721,53 723,53 878,-102 878,-895 877,-895 721,-1051 -81,-1051 -86,-1051 -225,-912 -225,-103
VCC_3.3 on Mid-Layer 2 "TopLayer-No Net" (solid, pour order 6): -226,-503 146,-503 150,-499 149,-498 149,-223 373,-223 374,-223 374,-476 373,-475 304,-475 304,-623 305,-623 876,-623 877,-622 877,-104 718,55 -66,55 -226,-105 -226,-503
VCC_5.0 on Mid-Layer 2 "TopLayer-No Net" (solid, pour order 10): -224.94,-502.93 147.06,-502.93 151.06,-498.93 150.06,-497.93 150.06,-218.94 173.21,-195.8 374.93,-195.8 375.06,-195.93 375.06,-475.74 374.24,-474.93 305.06,-474.93 305.06,-622.93 877.06,-622.93 878.06,-621.93 879.06,-622.93 879.06,-891.93 878.06,-891.93 722.06,-1047.93 -84.94,-1047.93 -223.94,-908.93 -223.94,-503.93 -224.94,-502.93

## Other copper
Top Layer:
  rectangle net VCC_5.0: -106.69,-920 -69.31,-806
  rectangle net GND: -8.69,-889 27.68,-844
  rectangle net VCC_3.3: -125,-499 -47,-462
  rectangle net VCC_5.0: -70,-833 -51,-719
Bottom Layer:
  rectangle net NetC31_1: 23,-825 68,-793

## Silkscreen, mask and mechanical layers (free items; w line width, h text height)
Top Overlay:
  text "---104---" at -190,-748 h30 r90
  text "6" at -217,-821 h30
  text "4" at -215,-864 h30
  text "6" at -217,-903 h30
  text "4" at -214,-941 h30
  text "A-" at 325,-1039 h35
  text "A+" at 223,-1040 h35
  text "B+" at 542,-1040 h35
  text "B-" at 642,-1040 h35
Mechanical 1:
  lines w10: -367,-985.06 -347,-1045.06 ; -367,-2.7 -347,57.3 ; -357,-1045.06 -337,-1045.06 ; -357,57.3 -337,57.3 ; -347,-879.76 -347,-1045.06 ; -347,-108 -347,57.3 ; -327,-985.06 -347,-1045.06 ; -327,-2.7 -347,57.3 ; -212.3,169 -212.3,189 ; -152.3,159 -212.3,179 ; -152.3,199 -212.3,179 ; -47,179 -212.3,179 ; 724.76,179 890.06,179 ; 830.06,159 890.06,179 ; 830.06,199 890.06,179 ; 890.06,169 890.06,189 ; -223.09,-892.02 ccw(c-65.61,-892.02) -65.61,-1049.5 721.79,-1049.5 ccw(c721.79,-892.02) 879.27,-892.02 879.27,-103.47 ccw(c722.94,-103.47) 722.94,52.86 -65.61,52.86 ccw(c-65.61,-104.62) -223.09,-104.62 -223.09,-892.02
  text "1102.362 (mil)" at -37,143.01 h60
  text "1102.362 (mil)" at -311.01,-869.76 h60 r90